# Altium PCB ZCTX-31main190729.PcbDoc
Units mil, origin at the board's own origin, x right, y up, seen from the top; angles counter-clockwise.
Board outline 3653.54 x 5905.51 mil, 2 copper layers (Top Layer, Bottom Layer); 115 components, 94 nets, 494 pads, 0 vias.
Unrouted connection lines stored in the file: 289.
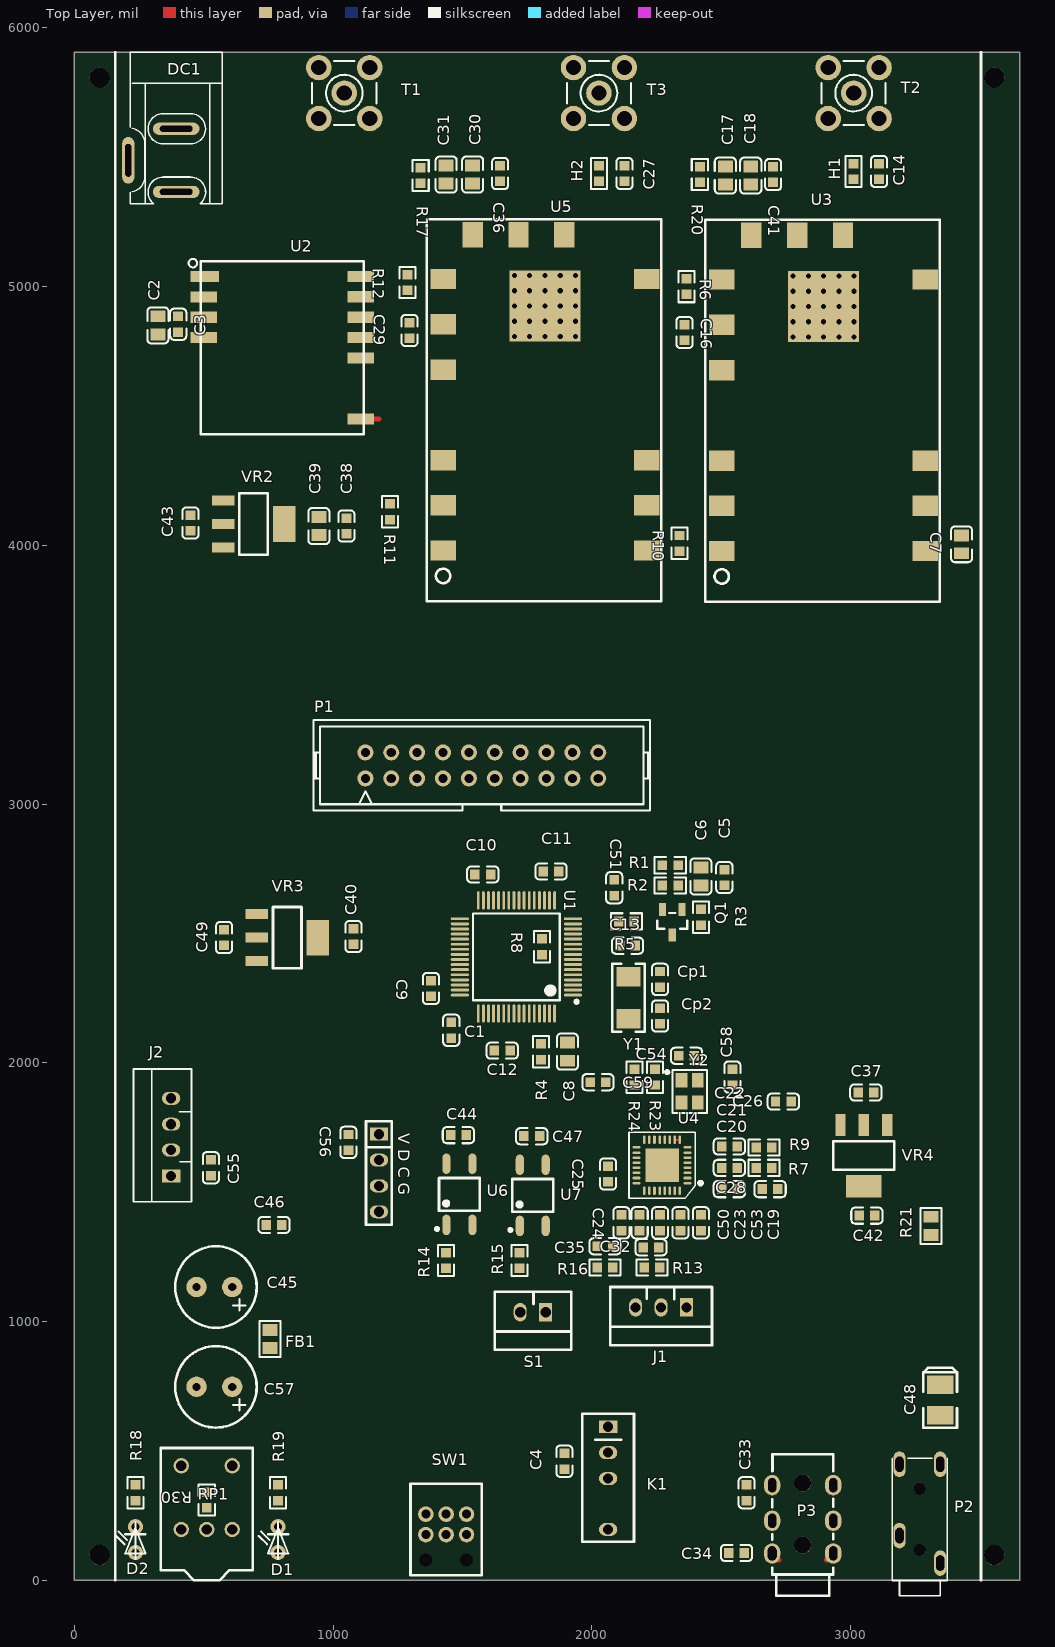
[diagram p0: Top Layer view]
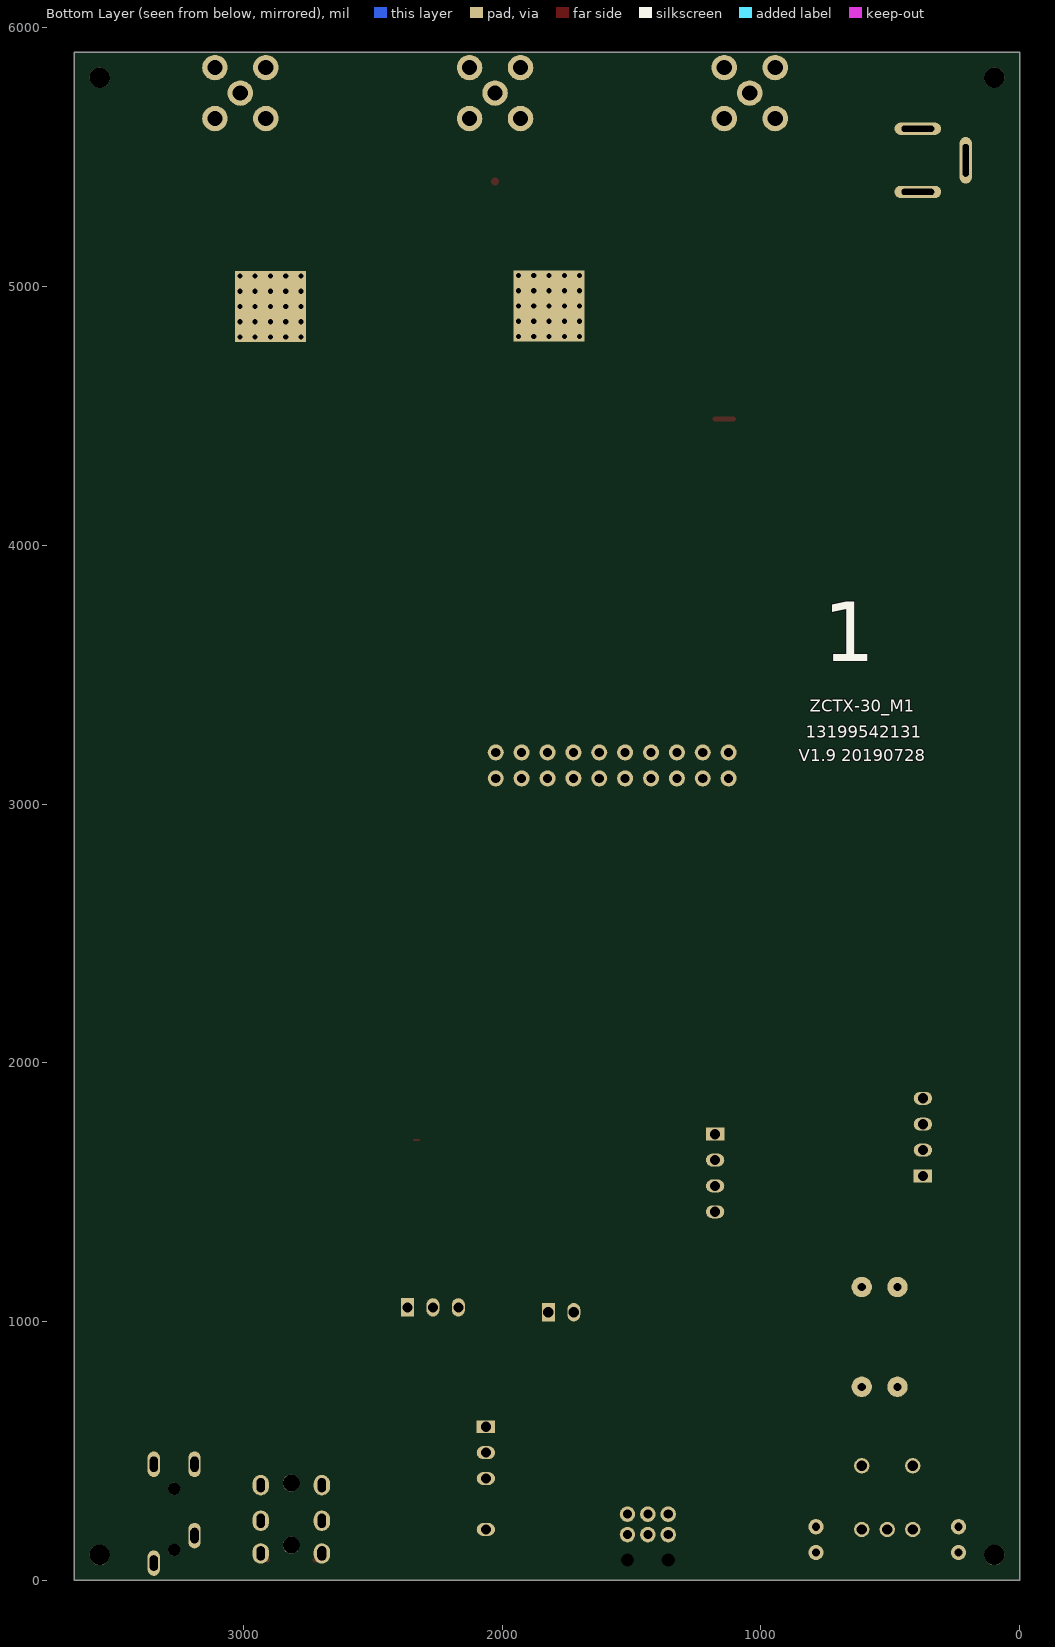
[diagram p1: Bottom Layer view, seen from below]

## Layer stack, top to bottom
Top Layer: signal copper 1.4
Dielectric: core 12.6, FR-4, Dk 4.8
Bottom Layer: signal copper 1.4

## Board outline
0,0 3653.54,0 3653.54,5905.51 0,5905.51

## Design rules (kind name [scope] priority, off if disabled: settings)
Clearance Clearance_1 [InNet('GND') vs InNet('AGND')] p1: gap=20
Clearance [All] p2: gap=8
FabricationTestpoint [(IsPad And (OnTopLayer Or OnBottomLayer))] p1: side=3 testpointundercomponent=TRUE minsize=40 maxsize=100 preferedsize=60 minholesize=0 maxholesize=40 preferedholesize=32 testpointgrid=1 allowsidetop=TRUE allowsidebottom=TRUE usegrid=TRUE gridtolerance=0.01
HoleSize [All] p1: absolutevalues=TRUE maxlimit=393.7 minlimit=1 maxpercent=80.000 minpercent=20.000
PlaneConnect [All] p1: planeconnectstyle=Direct reliefexpansion=20 reliefentries=4 reliefconductorwidth=19.68 reliefairgap=10
PolygonConnect [All] p1: connectstyle=Direct reliefconductorwidth=10 reliefentries=4 polygonreliefangle="90 Angle" airgapwidth=10
RoutingVias [All] p1: holewidth=12 width=24 viastyle="Through Hole" minholewidth=12 minwidth=24 maxholewidth=12 maxwidth=24
SolderMaskExpansion [All] p1: expansion=3.94
Width [All] p1: maxlimit=100 minlimit=8 preferedwidth=8 minimp=50.000000 maximp=50.000000 favimp=50.000000
25 further rules are at their usual default settings.

## Components (designator, comment, footprint, x,y, rotation, side; value= is the part's Value field where it differs from the comment)
C1 "100nF (104) 10% 50V" 0603_C 1456.69,2125.98 r90 top
C2 "10uF (106) 10% 25V" 0805_C 322.83,4850.39 r90 top
C3 "100nF (104) 10% 50V" 0603_C 401.57,4854.33 r270 top
C4 "100nF (104) 10% 50V" 0603_C 1893.7,460.63 r90 top
C5 "100nF (104) 10% 50V" 0603_C 2511.81,2716.54 r270 top
C6 "10uF (106) 10% 25V" 0805_C 2421.26,2720.47 r270 top
C7 "100nF (104) 10% 50V" LC-0805_C 3429.13,4003.94 r90 top
C8 "10uF (106) 10% 25V" 0805_C 1905.51,2043.31 r90 top
C9 "100nF (104) 10% 50V" 0603_C 1377.95,2287.4 r270 top
C10 "100nF (104) 10% 50V" 0603_C 1578.74,2728.35 r180 top
C11 "100nF (104) 10% 50V" 0603_C 1842.52,2740.16 r180 top
C12 "100nF (104) 10% 50V" 0603_C 1653.54,2047.24 r0 top
C13 "1uF (105) 10% 50V" 0603_C 2137.8,2452.76 r0 top
C14 "2.0pF (020) 0.25pF 50V" 0603_C 3110.24,5444.88 r270 top
C16 "100nF (104) 10% 50V" 0603_C 2358.27,4822.83 r270 top
C17 "10uF (106) 10% 25V" 0805_C 2515.75,5429.13 r270 top
C18 "100nF(104) 10% 50V" 0805_C 2614.17,5429.13 r90 top
C19 "4.7uF (475) 10% 16V" 0603_C 2421.26,1381.89 r90 top
C20 "1uF (105) 10% 50V" 0603_C 2531.5,1511.81 r180 top
C21 "1uF (105) 10% 50V" 0603_C 2531.5,1594.49 r180 top
C22 "1uF (105) 10% 50V" 0603_C 2531.5,1677.17 r180 top
C23 "4.7uF (475) 10% 16V" 0603_C 2263.78,1381.89 r90 top
C24 "4.7uF (475) 10% 16V" 0603_C 2114.17,1381.89 r270 top
C25 "10uF (106) 10% 10V" 0603_C 2062.99,1570.87 r270 top
C26 "4.7uF (475) 10% 16V" 0603_C 2740.16,1850.39 r0 top
C27 "2.0pF (020) 0.25pF 50V" 0603_C 2125.98,5437.01 r270 top
C28 "4.7uF (475) 10% 16V" 0603_C 2688.98,1511.81 r0 top
C29 "100nF (104) 10% 50V" 0603_C 1295.28,4830.71 r270 top
C30 "10uF (106) 10% 25V" 0805_C 1539.37,5433.07 r270 top
C31 "100nF(104) 10% 50V" 0805_C 1437.01,5433.07 r90 top
C32 "1uF (105) 10% 50V" 0603_C 2228.35,1287.4 r0 top
C33 "220pF (221) 10% 50V" 0603_C 2598.43,338.58 r90 top
C34 "100nF (104) 10% 50V" 0603_C 2559.06,106.3 r0 top
C35 "10nF (103) 10% 50V" 0603_C 2051.18,1291.34 r180 top
C36 "100nF (104) 10% 50V" 0603_C 1645.67,5437.01 r270 top
C37 "100nF (104) 10% 50V" 0603_C 3059.06,1885.83 r0 top
C38 "100nF (104) 10% 50V" 0603_C 1051.18,4074.8 r270 top
C39 "10uF (106) 10% 25V" 0805_C 944.88,4074.8 r90 top
C40 "100nF (104) 10% 50V" 0603_C 1078.74,2488.19 r90 top
C41 "100nF (104) 10% 50V" 0603_C 2700.79,5433.07 r270 top
C42 "100nF (104) 10% 50V" 0603_C 3062.99,1409.45 r0 top
C43 "100nF (104) 10% 50V" 0603_C 448.82,4086.61 r90 top
C44 "100nF (104) 10% 50V" 0603_C 1484.25,1720.47 r0 top
C45 "6.3V1000uF" C0.8 649.61,1133.86 r180 top
C46 "100nF (104) 10% 50V" 0603_C 771.65,1374.02 r0 top
C47 "100nF (104) 10% 50V" 0603_C 1767.72,1716.54 r0 top
C48 "100uF (107) ±10% 6.3V" CASE-B_3528 3346.46,696.85 r90 top
C49 "100nF (104) 10% 50V" 0603_C 578.74,2484.25 r90 top
C50 "10uF (106) 10% 10V" 0603_C 2185.04,1381.89 r90 top
C51 "100nF (104) 10% 50V" 0603_C 2086.61,2677.17 r270 top
C53 "100nF (104) 10% 50V" 0603_C 2342.52,1381.89 r90 top
C54 "100nF (104) 10% 50V" 0603_C 2366.14,2027.56 r0 top
C55 "100nF (104) 10% 50V" 0603_C 527.56,1594.49 r270 top
C56 "100nF (104) 10% 50V" 0603_C 1059.06,1692.91 r270 top
C57 "6.3V1000uF" C0.8 649.61,748.03 r180 top
C58 "100nF (104) 10% 50V" 0603_C 2543.31,1944.88 r90 top
C59 "4.7uF (475) 10% 16V" 0603_C 2023.62,1925.2 r180 top
Cp1 "20pF (200) 5% 50V" 0603_C 2263.78,2322.83 r90 top
Cp2 "20pF (200) 5% 50V" 0603_C 2263.78,2181.1 r270 top
D1 "LED1" LED 787.4,157.48 r90 top locked
D2 "LED1" LED 236.22,157.48 r90 top locked
DC1 "DC-10B" DC10B 216.54,5905.51 r270 top locked
FB1 "600Ω ±25% 100MHz" 0805_L 755.91,933.07 r90 top
H1 "15nH ±5%" 0603_L 3011.81,5444.88 r90 top
H2 "15nH ±5%" 0603_L 2027.56,5437.01 r90 top
J1 "SIP3" XH-3 2366.14,1055.12 r180 top
J2 "SIP4" XH2.54-4P 374.02,1562.99 r90 top locked
K1 "KAGUAN" RS-8A 2062.99,393.7 r270 top locked
P1 "Header 10X2" JTAG_20 1574.8,3149.61 r0 top locked
P2 "PHONE4" PHONE4 3267.72,0 r90 top locked
P3 "PHONE3.5" PHONE_ST 2814.96,236.22 r270 top locked
Q1 "CJ431 0.5%431" SOT-23(SOT-23-3) 2311.02,2543.31 r90 top
R1 "100Ω (1000) ±1%" 0603_R 2303.15,2763.78 r0 top
R2 "2KΩ (2001) ±1%" 0603_R 2303.15,2685.04 r180 top
R3 "10KΩ (1002) ±1%" 0603_R 2421.26,2562.99 r90 top
R4 "4.7KΩ (4701) ±1%" 0603_R 1803.15,2043.31 r270 top
R5 "4.7KΩ (4701) ±1%" 0603_R 2133.86,2547.24 r180 top
R6 "4.7KΩ (4701) ±1%" 0603_R 2366.14,5000 r90 top
R7 "680Ω (6800) ±1%" 0603_R 2665.35,1594.49 r0 top
R8 "0Ω (0R0) ±1%" 0603_R 1807.09,2448.82 r90 top
R9 "47KΩ (4702) ±1%" 0603_R 2665.35,1673.23 r180 top
R10 "10Ω (10R0) ±1%" 0603_R 2338.58,4007.87 r90 top
R11 "10KΩ (1002) ±1%" 0603_R 1220.47,4129.92 r270 top
R12 "4.7KΩ (4701) ±1%" 0603_R 1287.4,5015.75 r90 top
R13 "10KΩ (1002) ±1%" 0603_R 2232.28,1208.66 r180 top
R14 "1KΩ (1001) ±1%" 0603_R 1437.01,1236.22 r270 top
R15 "1KΩ (1001) ±1%" 0603_R 1720.47,1236.22 r270 top
R16 "2.2KΩ (2201) ±1%" 0603_R 2051.18,1208.66 r0 top
R17 "0Ω (0R0) ±1%" 0603_R 1338.58,5429.13 r270 top
R18 "1KΩ (1001) ±1%" 0603_R 236.22,338.58 r270 top
R19 "1KΩ (1001) ±1%" 0603_R 787.4,338.58 r270 top
R20 "0Ω (0R0) ±1%" 0603_R 2417.32,5433.07 r270 top
R21 "600Ω ±25% 100MHz" 0805_L 3311.02,1370.08 r270 top
R23 "0Ω (0R0) ±1%" 0603_R 2244.09,1944.88 r90 top
R24 "0Ω (0R0) ±1%" 0603_R 2165.35,1944.88 r90 top
R30 "10KΩ (1002) ±1%" 0603_R 511.81,311.02 r270 top
RP1 "RV097NS" RV097NS 511.81,196.85 r0 top locked
S1 "SIP2" XH-2 1821.65,1036.61 r180 top
SW1 "SIP6" XD_KG 1437.01,177.17 r0 top locked
T1 "SIP2" SMB_V-RJ45 1043.31,5748.03 r0 top locked
T2 "SIP2" SMB_V-RJ45 3011.81,5748.03 r0 top locked
T3 "SIP2" SMB_V-RJ45 2027.56,5748.03 r0 top locked
U1 "STM32F103RBT6" LQFP-64_10x10x05P 1708.66,2409.45 r90 top
U2 "Ra-01 Module" "Ra-01 Module" 803.15,4763.78 r0 top
U3 "SR_FRS_1WV" SR_FRS_1W 2501.97,3978.35 r0 top
U4 "WM8978" QNF32 2370.08,1535.43 r180 top
U5 "SR_FRS_1WV" SR_FRS_1W 1425.2,3980.32 r0 top
U6 "EL357N(B)(TA)-G" SOP-4_P2.54 1488.19,1492.13 r90 top
U7 "EL357N(B)(TA)-G" SOP-4_P2.54 1771.65,1488.19 r90 top
"V D C G" "SIP4" SIP4 1177.17,1724.41 r270 top
VR2 "AMS1117-3.3" SOT-223 692.91,4082.68 r180 top
VR3 "AMS1117-3.3" SOT-223 822.83,2484.25 r180 top
VR4 "AMS1117-3.3" SOT-223 3051.18,1641.73 r90 top
Y1 "8MHz ±20ppm 20pF" SMD-5032_2P 2141.73,2251.97 r270 top
Y2 "12.288M" SMD-3225_4P 2377.95,1889.76 r270 top

## Footprints (in the part's own frame and the unit in brackets; to place one, negate y for a bottom-side part, rotate by r counter-clockwise, add the part's x,y. Pads: shape width x height; smd on the part's side, far side on the other; paste and mask are expansions set on the pad)
0603_C [mm]
  rect 0.93x0.98 smd: 1(-0.77,0) 2(0.77,0)
  silkscreen extent -1.53,-0.79 1.54,0.79, body extent -0.8,-0.4 0.8,0.4, height 0.3
0603_L [mm]
  rect 0.93x0.98 smd: 1(-0.77,0) 2(0.77,0)
  silkscreen extent -1.53,-0.79 1.54,0.79, body extent -0.82,-0.41 0.82,0.41, height 0.46
0603_R [mm]
  rect 0.93x0.98 smd: 1(-0.77,0) 2(0.77,0)
  silkscreen extent -1.53,-0.79 1.54,0.79, body extent -0.85,-0.4 0.85,0.4, height 0.56
0805_C [mm]
  rect 1.16x1.47 smd: 1(-0.89,0) 2(0.89,0)
  silkscreen extent -1.77,-1.04 1.77,1.04, body extent -1,-0.63 1,0.63, height 0.77
0805_L [mm]
  rect 1.16x1.47 smd: 1(-0.89,0) 2(0.89,0)
  silkscreen extent -1.77,-1.04 1.77,1.03, body extent -1,-0.64 1,0.64, height 0.6
C0.8 [mm]
  round 2 hole 0.8: 1(1,0) 2(4.5,0)
  silkscreen extent -1.4,-4 6.6,4
CASE-B_3528 [mm]
  rect 1.8x2.6 smd: 1(1.5,0) 2(-1.5,0)
  silkscreen extent -2.73,-1.65 3.16,1.65, body extent -1.85,-1.47 1.85,1.46, height 2.03
DC10B [mm]
  oval 1.2x4.572 hole 0.6 slot 3.2 at 90 deg: 1(13.7,4.5) 2(7.5,4.5)
  oval 4.572x1.2 hole 0.6 slot 3.2 at 0 deg: 3(10.6,-0.2)
  silkscreen extent 0,0 14.87,9
JTAG_20 [mil]
  round 62 hole 35: 1(-450,-50) 2(-450,50) 3(-350,-50) 4(-350,50) 5(-250,-50) 6(-250,50) 7(-150,-50) 8(-150,50) 9(-50,-50) 10(-50,50) 11(50,-50) 12(50,50) 13(150,-50) 14(150,50) 15(250,-50) 16(250,50) 17(350,-50) 18(350,50) 19(450,-50) 20(450,50)
  silkscreen extent -650,-175 650,175
LC-0805_C [mm]
  rect 1.16x1.47 smd: 1(-0.875,0) 2(0.875,0)
  silkscreen extent -1.76,-1.04 1.76,1.04, body extent -1,-0.63 1,0.62, height 0.77
LED [mm]
  round 1.5 hole 0.8: 1(-1.27,0) 2(1.27,0)
  silkscreen extent -1.88,-1 1.71,1.9
LQFP-64_10x10x05P [mm]
  oval 0.28x1.8 smd mask+0.051: 1(-3.75,-5.55) 2(-3.25,-5.55) 3(-2.75,-5.55) 4(-2.25,-5.55) 5(-1.75,-5.55) 6(-1.25,-5.55) 7(-0.75,-5.55) 8(-0.25,-5.55) 9(0.25,-5.55) 10(0.75,-5.55) 11(1.25,-5.55) 12(1.75,-5.55) 13(2.25,-5.55) 14(2.75,-5.55) 15(3.25,-5.55) 16(3.75,-5.55) 33(3.75,5.55) 34(3.25,5.55) 35(2.75,5.55) 36(2.25,5.55) 37(1.75,5.55) 38(1.25,5.55) 39(0.75,5.55) 40(0.25,5.55) 41(-0.25,5.55) 42(-0.75,5.55) 43(-1.25,5.55) 44(-1.75,5.55) 45(-2.25,5.55) 46(-2.75,5.55) 47(-3.25,5.55) 48(-3.75,5.55)
  oval 1.8x0.28 smd mask+0.051: 17(5.55,-3.75) 18(5.55,-3.25) 19(5.55,-2.75) 20(5.55,-2.25) 21(5.55,-1.75) 22(5.55,-1.25) 23(5.55,-0.75) 24(5.55,-0.25) 25(5.55,0.25) 26(5.55,0.75) 27(5.55,1.25) 28(5.55,1.75) 29(5.55,2.25) 30(5.55,2.75) 31(5.55,3.25) 32(5.55,3.75) 49(-5.55,3.75) 50(-5.55,3.25) 51(-5.55,2.75) 52(-5.55,2.25) 53(-5.55,1.75) 54(-5.55,1.25) 55(-5.55,0.75) 56(-5.55,0.25) 57(-5.55,-0.25) 58(-5.55,-0.75) 59(-5.55,-1.25) 60(-5.55,-1.75) 61(-5.55,-2.25) 62(-5.55,-2.75) 63(-5.55,-3.25) 64(-5.55,-3.75)
  silkscreen extent -4.55,-6.05 4.25,4.25
PHONE4 [mm]
  round 1.2 hole 1.2: 0(3,0) 0(9,0)
  oval 2.5x1.2 hole 0.8 slot 1.5 at 0 deg: 2(1.7,-2) 3(4.4,2) 4(11.4,-2) 5(11.4,2)
  silkscreen extent -1.5,-2.7 12,2.7
PHONE_ST [mm]
  round 1.676 hole 1.676: 0(-3.556,0) 0(2.54,0)
  oval 2x1.6 hole 0.8 slot 1.4 at 0 deg: 1(-3.35,3) 1(-3.35,-3) 2(0.15,3) 2(0.15,-3) 3(3.35,3)
  oval 2x1.6 hole 0.87 slot 1.4 at 0 deg: 3(3.35,-3)
  silkscreen extent -6.39,-3.01 7.49,3
QNF32 [mm]
  oct 0.8x0.25 smd: 1(0,0) 2(0,-0.5) 3(0,-1) 4(0,-1.5) 5(0,-2) 6(0,-2.5) 7(0,-3) 8(0,-3.5) 17(5,-3.5) 18(5,-3) 19(5,-2.5) 20(5,-2) 21(5,-1.5) 22(5,-1) 23(5,-0.5) 24(5,0)
  oct 0.25x0.8 smd: 9(0.75,-4.25) 10(1.25,-4.25) 11(1.75,-4.25) 12(2.25,-4.25) 13(2.75,-4.25) 14(3.25,-4.25) 15(3.75,-4.25) 16(4.25,-4.25) 25(4.25,0.75) 26(3.75,0.75) 27(3.25,0.75) 28(2.75,0.75) 29(2.25,0.75) 30(1.75,0.75) 31(1.25,0.75) 32(0.75,0.75)
  rect 3.3x3.3 smd: 33(2.5,-1.75)
  silkscreen extent -1.47,-5 5.75,1.5
"Ra-01 Module" [mm]
  rect 2.8x1.1 smd: 1(-7.6,7.002)
  rect 2.6x1.1 smd: 2(-7.7,4.99) 3(-7.7,3.002) 4(-7.7,1.002) 9(7.7,-6.998) 12(7.7,-0.998) 13(7.7,1.002) 14(7.7,3.002) 15(7.7,5.002) 16(7.7,6.996)
  rect 2.6x1.1 on Top Overlay: 5(-7.7,-0.998) 6(-7.7,-2.998) 7(-7.7,-4.998) 8(-7.7,-6.998) 10(7.7,-4.998) 11(7.7,-2.998)
  silkscreen extent -9.18,-8.5 8,8.72
RS-8A [mm]
  rect 1.27x1.8 hole 1: 1(-5.08,0)
  oval 1.27x1.8 hole 1: 2(-2.54,0) 3(0,0) 5(5,0)
  silkscreen extent -6.35,-2.54 6.21,2.54
RV097NS [mm]
  round 1.5 hole 1: 1(-2.5,6.25) 2(2.5,6.25) 11(-2.5,0) 12(0,0) 13(2.5,0)
  silkscreen extent -4.5,-5 4.5,8
SIP4 [mm]
  rect 1.27x1.8 hole 1: 1(0,0)
  oval 1.27x1.8 hole 1: 2(2.54,0) 3(5.08,0) 4(7.62,0)
  silkscreen extent -1.27,-1.27 8.89,1.27
SMB_V-RJ45 [mm] "Connector; SMB Straight"
  round 2.5 hole 1.5: 1(0,0) 2(-2.5,-2.5) 2(-2.5,2.5) 2(2.5,-2.5) 2(2.5,2.5)
  silkscreen extent -3.15,-3.15 3.15,3.15
SMD-3225_4P [mm]
  rect 1.4x1.15 smd: 1(-1.1,-0.8) 2(1.1,-0.8) 3(1.1,0.8) 4(-1.1,0.8)
  silkscreen extent -2.1,-2.35 2.1,1.7, body extent -1.6,-1.25 1.6,1.25, height 0.61
SMD-5032_2P [mm]
  rect 1.9x2.4 smd: 1(-2.05,0) 2(2.05,0)
  silkscreen extent -3.32,-1.6 3.32,1.6
SOP-4_P2.54 [mm]
  oval 2x0.8 smd: 1(-3,1.27) 2(-3,-1.27) 3(3,-1.27) 4(3,1.27)
  silkscreen extent -3.55,-2 1.6,2.35
SOT-23(SOT-23-3) [mm]
  rect 1.25x0.7 smd: 1(1.25,-0.95) 2(1.25,0.95) 3(-1.25,0)
  silkscreen extent -0.65,-1.46 0.9,1.46, body extent -1.5,-1.5 1.5,1.5, height 1.3
SOT-223 [mm]
  rect 2.2x1 smd: 1(3,-2.3) 2(3,0) 3(3,2.3)
  rect 2.2x3.5 smd: 2(-3,0)
  silkscreen extent -1.4,-3 1.4,3, body extent -3.49,-3.24 3.49,3.24, height 1.64
SR_FRS_1W [mm]
  rect 2.5x2 smd: 1(0,0) 2(0,4.45) 3(0,8.85) 5(0,17.75) 6(0,22.2) 7(0,26.65) 12(20,26.65) 16(20,8.85) 17(20,4.45) 18(20,0)
  rect 2.5x2 on Top Overlay: 4(0,13.3) 13(20,22.2) 14(20,17.75) 15(20,13.3)
  rect 2x2.5 smd: 8(2.9,31) 9(7.4,31) 10(11.9,31)
  round 1 hole 0.5: 9(7,21) 9(7,22.5) 9(7,24) 9(7,25.5) 9(7,27) 9(8.5,21) 9(8.5,22.5) 9(8.5,24) 9(8.5,25.5) 9(8.5,27) 9(10,21) 9(10,22.5) 9(10,24) 9(10,25.5) 9(10,27) 9(11.5,21) 9(11.5,22.5) 9(11.5,24) 9(11.5,25.5) 9(11.5,27) 9(13,21) 9(13,22.5) 9(13,24) 9(13,25.5) 9(13,27)
  rect 7x7 smd: 9(10,24.003)
  rect 7x7 smd far side: 9(10,24.003)
  rect 2x2.5 on Top Overlay: 11(16.5,31)
  silkscreen extent -1.6,-5 21.4,32.5
XD_KG [mil]
  round 60 hole 35: 1(-78.74,0) 2(0,0) 3(78.74,0) 4(-78.74,78.74) 5(0,78.74) 6(78.74,78.74)
  round 0 hole 51.18: 7(-78.74,-98.43) 8(78.74,-98.43)
  silkscreen extent -138,-157 138,197
XH2.54-4P [mm]
  rect 1.27x1.8 hole 1: 1(0,0)
  oval 1.27x1.8 hole 1: 2(2.54,0) 3(5.08,0) 4(7.62,0)
  silkscreen extent -2.54,-2 10.5,3.7
XH-2 [mm]
  rect 1.27x1.8 hole 1: 1(0,0)
  oval 1.27x1.8 hole 1: 2(2.5,0)
  silkscreen extent -2.5,-2 5,3.7
XH-3 [mm]
  rect 1.27x1.8 hole 1: 1(0,0)
  oval 1.27x1.8 hole 1: 2(2.5,0) 3(5,0)
  silkscreen extent -2.5,-2 7.5,3.7

## Part data
C1 C3 C4 C5 C7 C16 C29 C34 C36 C37 C38 C40 C41 C42 C43 C44 C46 C47 C49 C51 C53 C54 C55 C56 C58: library part "0603 100nF (104) 10% 50V", "贴片电容"
C2 C6 C8 C17 C30 C39: library part "0805 10uF (106) 10% 25V", "贴片电容"
C9 C10 C11 C12 C35: library part "0603 10nF (103) 10% 50V", "贴片电容"
C13 C20 C21 C22 C32: library part "0603 1uF (105) 10% 50V", "贴片电容"
C14 C27: library part "0603 2.0pF (020) 0.25pF 50V", "贴片电容"
C18 C31: library part "0805 100nF(104) 10% 50V", "贴片电容"
C19 C23 C24 C26 C28 C59: library part "0603 4.7uF (475) 10% 16V", "贴片电容"
C25 C50: library part "0603 10uF (106) 10% 10V", "贴片电容"
C33: library part "0603 220pF (221) 10% 50V", "贴片电容"
C45 C57: library part C+
C48: library part "3528 100uF (107) 10% 6.3V", "钽电容"
Cp1 Cp2: library part "0603 20pF (200) 5% 50V", "贴片电容"
FB1 R21: library part "0805 600Ω 25% 100MHz", "贴片磁珠"
H1 H2: library part "0603 12nH 5%", "贴片电感"
P1: "Header, 10-Pin, Dual row"
P3: library part PHONE3
Q1: "电压基准"
R1: library part "0603 100Ω (1000) 1%", "贴片电阻"
R2: library part "0603 2KΩ (2001) 1%", "贴片电阻"
R3 R11 R13 R30: library part "0603 10KΩ (1002) 1%", "贴片电阻"
R4 R5 R6 R12: library part "0603 4.7KΩ (4701) 1%", "贴片电阻"
R7: library part "0603 680Ω (6800) 1%", "贴片电阻"
R8 R17 R20 R23 R24: library part "0603 0Ω (0R0) 1%", "贴片电阻"
R9: library part "0603 47KΩ (4702) 1%", "贴片电阻"
R10: library part "0603 10Ω (10R0) 1%", "贴片电阻"
R14 R15 R18 R19: library part "0603 1KΩ (1001) 1%", "贴片电阻"
R16: library part "0603 2.2KΩ (2201) 1%", "贴片电阻"
U1: "ARM"
U6 U7: library part EL357N(B)(TA)-G_[C6649], "贴片光耦"
VR2 VR3 VR4: library part "SOT-223 AMS1117-3.3", "低压差线性稳压(LDO)"
Y1: library part "SMD-5032_2P 8MHz 20ppm 20pF", "贴片晶振"
Y2: library part X3225-4P

## Free pads (board coordinates)
  round 78.74 hole 78.74: 0(98.43,98.43) 0(98.43,5807.09) 0(3555.12,98.43) 0(3555.12,5807.09)

## Nets (pads, with @x,y where several pads share a name; then routed paths per layer and width w, separated by ;. In a path a pad name is that pad's centre, name@x,y a point inside that pad or via, vN(x,y) a via of type N, cw(c..) or ccw(c..) an arc to the next point about the centre after c; other vN are vias at no path point)
ADC1: C1.2 R30.2 U1.15
AF_OUT1: U3.3 U4.1
AF_OUT2: U4.3 U5.3
AGND: C19.1 C20.1 C22.1 C23.1 C24.1 C28.1 C33.2 C34.1 C35.2 C50.1 C53.1 J1.1 J1.3 P2.2 P3.1 R9.1 R16.1 R21.2 U4.24 U4.28 U4.33 | length 1.1
  Top Layer w25: P3.1@2696.06,368.9 P3.1@2696.85,368.11
AUX_IN: C32.1 U4.20
CON1: SW1.1 U1.37
CON2: SW1.3 U1.40
CON3: SW1.4 U1.38
CON4: SW1.6 U1.39
DGND: U2.2
FRS_RXD1: U1.16 U3.16
FRS_RXD2: U1.51 U5.16
FRS_TXD1: U1.17 U3.17
FRS_TXD2: U1.52 U5.17
G1: P1.2 U1.62
G2: P1.4 U1.28
G3: P1.6 U1.26
G4: P1.8 U1.24
G5: P1.10 U1.22
G6: P1.12 U1.20
G7: P1.14 U1.10
G8: P1.16 U1.8
GND: "V D C G.4" C1.1 C2.1 C3.2 C4.1 C5.1 C6.1 C7.2 C8.1 C9.2 C10.2 C11.2 C12.2 C13.2 C14.1 C16.1 C17.1 C18.2 C26.1 C27.1 C29.1 C30.1 C31.2 C36.2 C37.2 C38.2 C39.1 C40.2 C41.2 C42.2 C43.2 C44.2 C45.2 C46.2 C47.2 C49.2 C51.1 C54.1 C55.1 C56.1 C57.2 C58.1 C59.1 Cp1.1 Cp2.1 DC1.2 DC1.3 J2.4 K1.3 P1.20 Q1.3 R3.1 R4.2 R8.2 R10.2 R11.1 R18.1 R19.1 R21.1 RP1.11 S1.2 SW1.2 SW1.5 T1.2 T2.2 T3.2 U1.18 U1.31 U1.47 U1.63 U2.9 U2.16 U3.9 U3.10 U4.12 U4.18 U5.9 U5.10 U6.3 U7.3 VR2.1 VR3.1 VR4.1 Y2.2 | length 70.8
  Top Layer w20: U2.9 1177.08,4488.28
I2C_CLK: U1.58 U4.16
I2C_DIN: U1.59 U4.17
MCLK: U4.11 Y2.3
MIC_IN: C7.1 C25.2 U3.18
MICBIAS: C19.2 R7.2 U4.32
MISO: U1.35 U2.13
MOSI: U1.36 U2.14
NetC5_2: C5.2 C6.2 Q1.1 R2.1 R3.2
NetC13_1: C13.1 R5.1 U1.7
NetC14_2: C14.2 H1.1 U3.12
NetC16_2: C16.2 R6.2 U3.6
NetC20_2: C20.2 U4.2
NetC21_2: C21.2 U4.4
NetC22_2: C22.2 U4.5
NetC23_2: C23.2 U4.27
NetC25_1: C25.1 U4.23
NetC26_2: C26.2 R23.2 U4.13
NetC27_2: C27.2 H2.1 U5.12 | length 0
NetC29_2: C29.2 R12.2 U5.6
NetC32_2: C32.2 C35.1 R13.2 R16.2
NetC48_2: C48.2 P2.4
NetC57_1: C57.1 FB1.1 RP1.2
NetC59_2: C59.2 R24.2 U4.14
NetCp1_2: Cp1.2 U1.6 Y1.1
NetCp2_2: Cp2.2 U1.5 Y1.2
NetD1_2: D1.2 R19.2
NetD2_2: D2.2 R18.2
NetDC1_1: DC1.1 RP1.1
NetH1_2: H1.2 T2.1
NetH2_2: H2.2 T3.1
NetJ1_2: J1.2 R13.1
NetR4_1: R4.1 U1.60
NetR8_1: R8.1 U1.12
NetR10_1: R10.1 U5.18
NetR11_2: R11.2 U5.2
NetR14_1: R14.1 U6.1
NetR15_1: R15.1 U7.1
NetR30_1: R30.1 RP1.12
NetS1_1: S1.1 U7.2
NetT1_1: T1.1 U2.1
NetU4_9: U4.9 U4.10 | length 19.7
  Top Layer w8: U4.10 U4.9
NSS: U1.33 U2.15
OUTR: C48.1 U4.25
PPT_IN: C34.2 P3.3 U6.2 | length 75.2
  Top Layer w20: P3.3@2694.88,106.3 2696.85,104.33 P3.3@2722.44,78.74 ; P3.3@2907.48,78.74 P3.3@2933.07,104.33
PPT_IN1: C47.1 U1.57 U7.4
PPT_IN2: C44.1 U1.56 U6.4
PPT_OUT: U1.54 U3.5
R1: P1.1 U1.30
R2: P1.3 U1.29
R3: P1.5 U1.27
R4: P1.7 U1.25
R5: P1.9 U1.23
R6: P1.11 U1.21
R7: P1.13 U1.11
R8: P1.15 U1.9
RXD: P1.19 U1.43
SCK: U1.34 U2.12
SQ: P1.17 U3.1 U5.1
SWD: "V D C G.2" U1.46
TXD: J2.2 U1.42
V_RF1: C17.2 C18.1 C41.1 R6.1 R20.1 U3.8
V_RF2: C30.2 C31.1 C36.1 R12.1 R17.1 U5.8
VBAT: C24.2 C37.1 C43.1 C45.1 C46.1 C49.1 C50.2 FB1.2 R14.2 R15.2 U4.26 VR2.3 VR3.3 VR4.3
VCC: C2.2 C3.1 C38.1 C39.2 R17.2 R20.2 U2.3 VR2.2
VDD: "V D C G.1" C8.2 C9.1 C10.1 C11.1 C12.1 C40.1 C54.2 C55.2 C56.2 C58.2 D1.1 D2.1 J2.1 R1.2 R5.2 R23.1 R24.1 U1.19 U1.32 U1.48 U1.64 VR3.2 Y2.1 Y2.4
VDDA: C51.2 Q1.2 R1.1 R2.2 RP1.13 U1.13
VEE: C28.2 C42.1 C53.2 U4.31 VR4.2
VOLC: C4.2 K1.2 U1.41
VOX_DET: P1.18 U3.2
WCK: "V D C G.3" U1.49
WM8978MIC: C21.1 C33.1 P3.2 R7.1 R9.2 | length 23.3
  Top Layer w20: P3.2@2676.38,230.31 P3.2@2696.85,230.31 ; P3.2@2931.1,232.28 P3.2@2933.07,230.31
pads on no net: J2.3 K1.1 K1.5 P2.0 P2.3 P2.5 P3.0 SW1.7 SW1.8 U1.1 U1.2 U1.3 U1.4 U1.14 U1.44 U1.45 U1.50 U1.53 U1.55 U1.61 U2.4 U2.5 U2.6 U2.7 U2.8 U2.10 U2.11 U3.4 U3.7 U3.11 U3.13 U3.14 U3.15 U4.6 U4.7 U4.8 U4.15 U4.19 U4.21 U4.22 U4.29 U4.30 U5.4 U5.5 U5.7 U5.11 U5.13 U5.14 U5.15

## Silkscreen, mask and mechanical layers (free items; w line width, h text height)
Top Overlay:
  lines w10: 157.48,0 157.48,5905.51 ; 3503.94,0 3503.94,5905.51
Bottom Overlay:
  text "1" at 759.84,3476.38 h393.7
  text "ZCTX-30_M1" at 811.02,3342.52 h78.74
  text "13199542131" at 826.77,3240.16 h78.74
  text "V1.9 20190728" at 854.33,3149.61 h78.74
Mechanical 1:
  the board outline again, w10